# Altium PCB MotherBoard.PcbDoc (part 5 of 10)
Units mm, origin at the board's own origin, x right, y up, seen from the top; angles counter-clockwise.
Board outline 200 x 200 mm, 8 copper layers (Top Layer, Ground, Signal Layer 1, Power, Power 2, Signal Layer 2, Ground 2, Bottom Layer), stack 1.494 mm thick; 819 components, 704 nets, 3400 pads, 2339 vias.
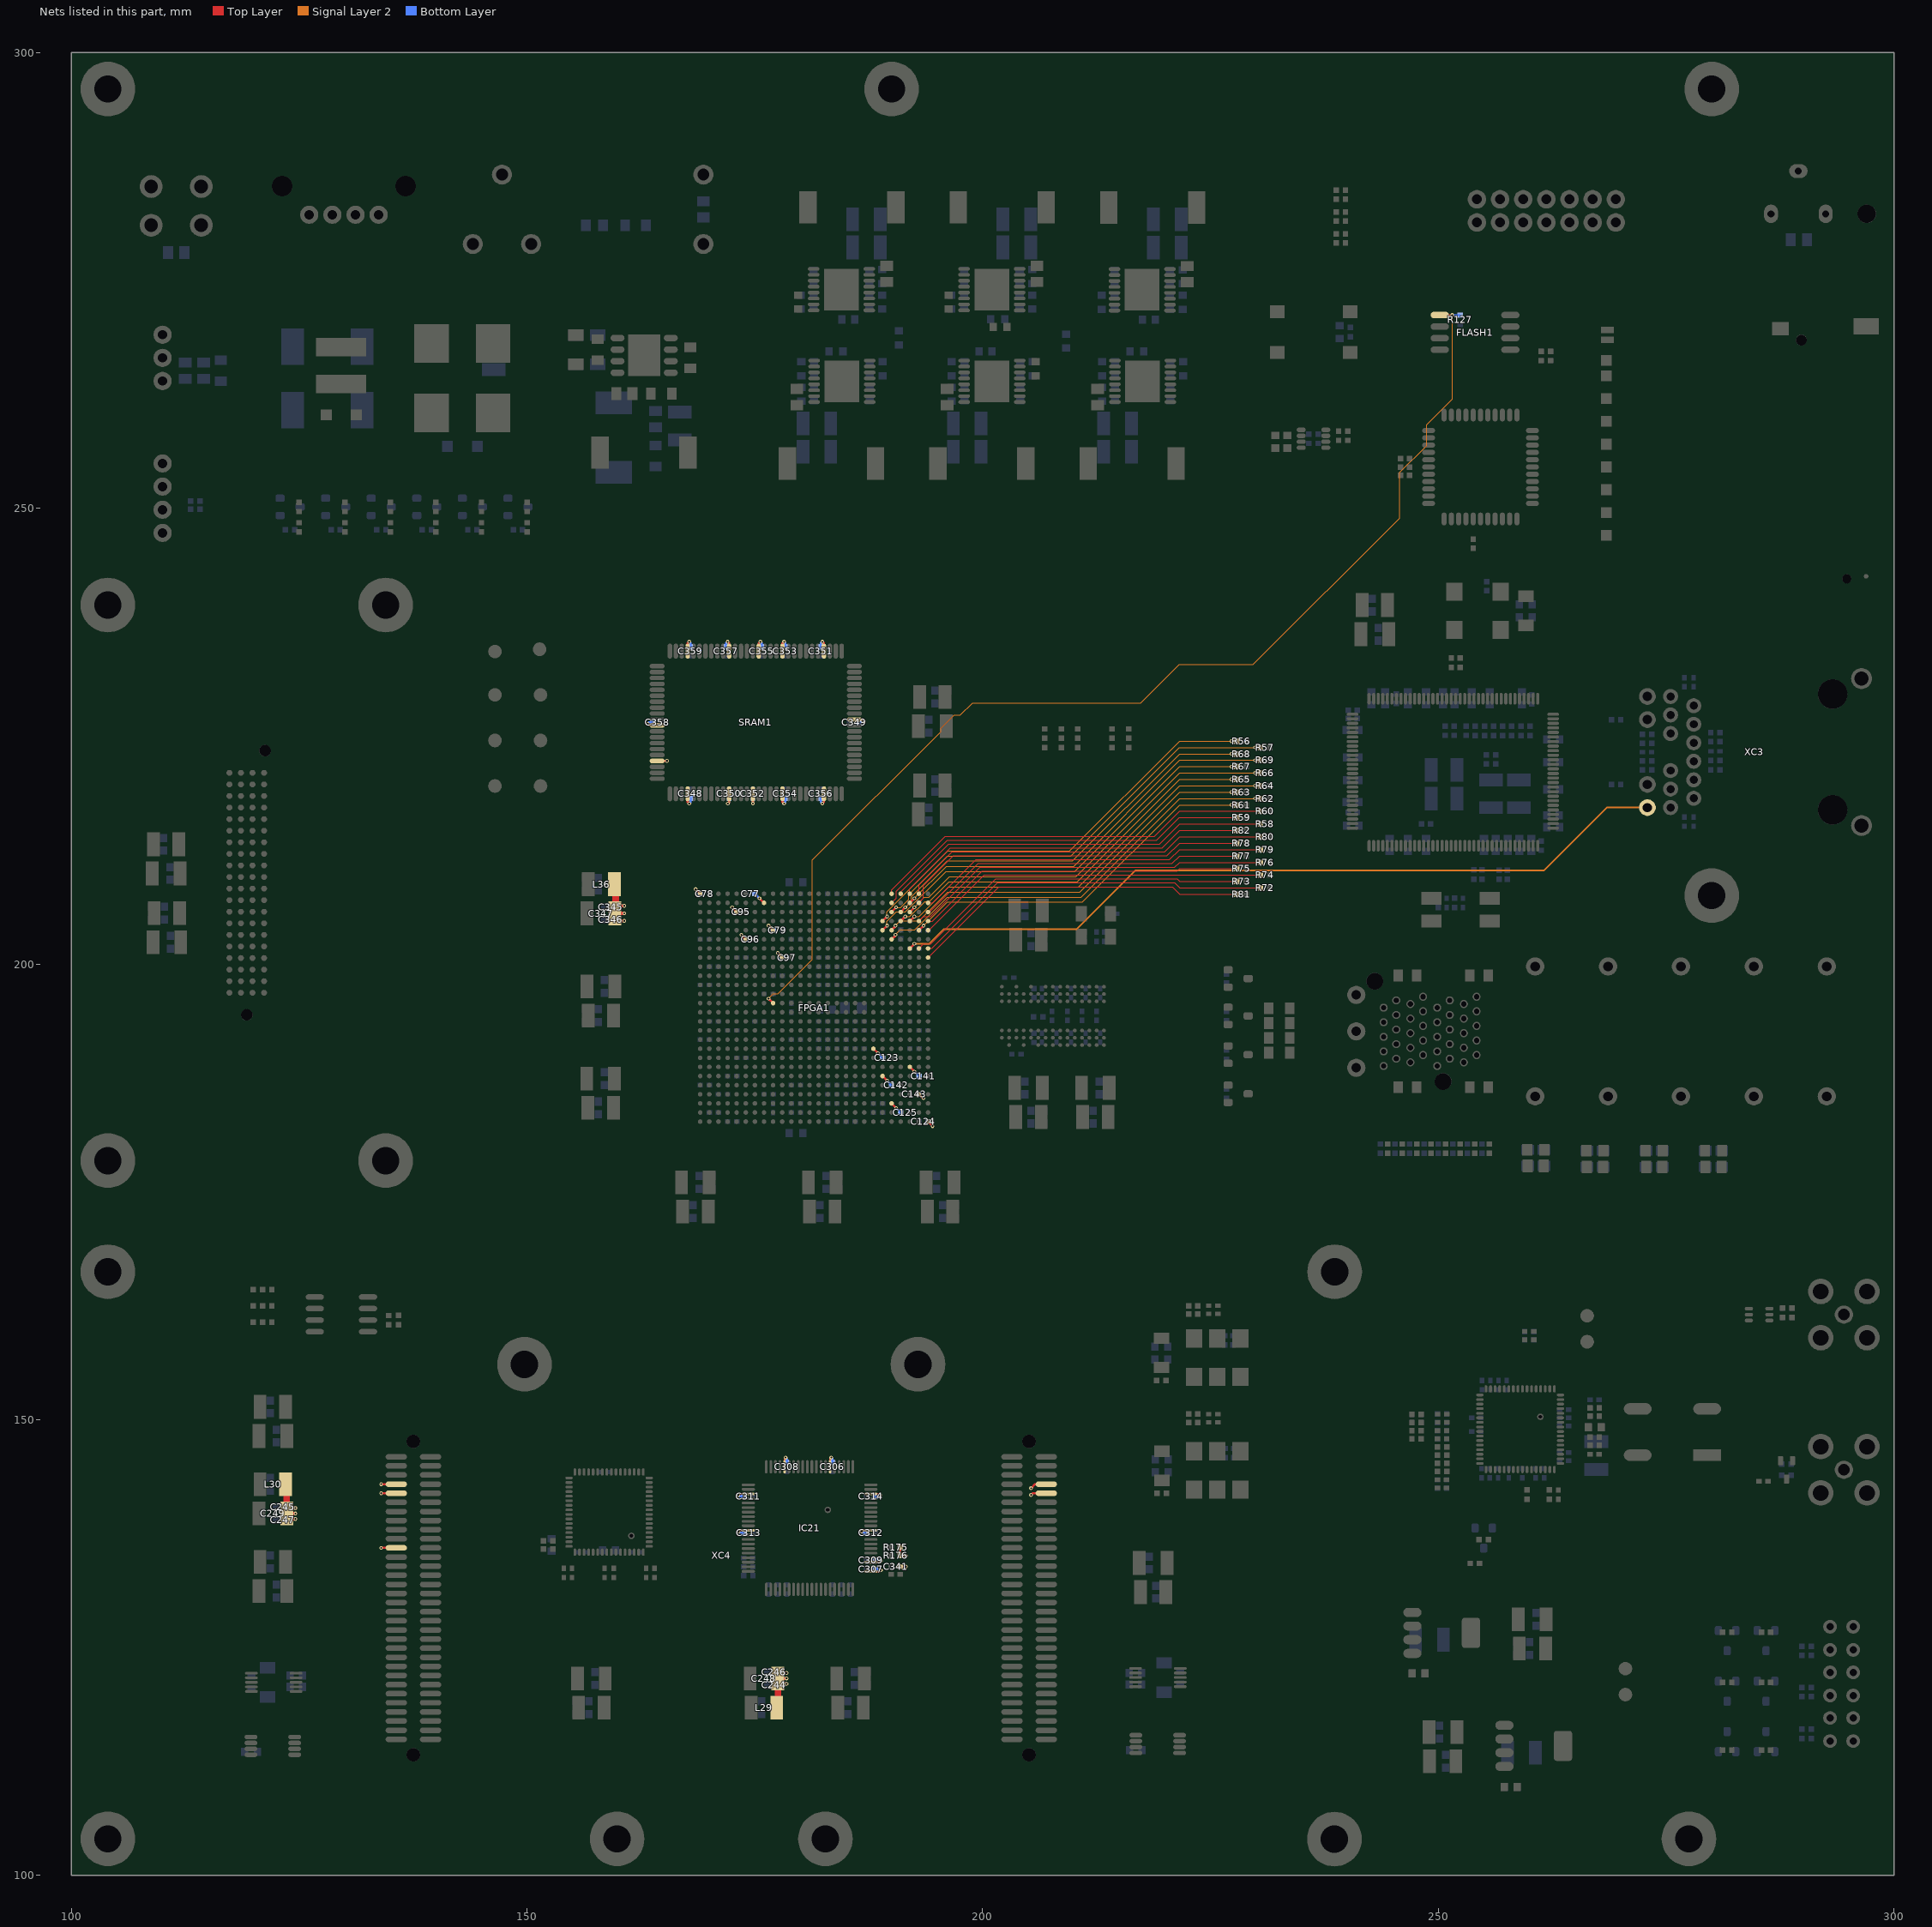
[diagram p11: the nets of this part, all layers, seen from the top]

## Via types
v1: diameter 0.4, hole 0.2, Top Layer to Bottom Layer, tented both sides, 1921 vias
v2: diameter 0.6, hole 0.3, Top Layer to Bottom Layer, tented both sides, 229 vias
v3: diameter 0.7, hole 0.4, Top Layer to Bottom Layer, 128 vias
v4: diameter 0.5, hole 0.2, Top Layer to Bottom Layer, tented both sides, 60 vias
v5: diameter 0.7, hole 0.4, Top Layer to Bottom Layer, tented both sides, 1 vias

## Nets (pads, with @x,y where several pads share a name; then routed paths per layer and width w, separated by ;. In a path a pad name is that pad's centre, name@x,y a point inside that pad or via, vN(x,y) a via of type N, cw(c..) or ccw(c..) an arc to the next point about the centre after c; other vN are vias at no path point) (continued)
DVDD_RAM: C77.1 C78.1 C79.1 C95.1 C96.1 C97.1 C345.1 C346.1 C347.2 C348.2 C349.2 C350.2 C351.2 C352.2 C353.2 C354.2 C355.2 C356.2 C357.2 C358.2 C359.2 FPGA1.AA21 FPGA1.AB18 FPGA1.AD22 FPGA1.AE19 FPGA1.AF26 FPGA1.W17 L36.1 SRAM1.4 SRAM1.11 SRAM1.15 SRAM1.20 SRAM1.27 SRAM1.41 SRAM1.54 SRAM1.61 SRAM1.65 SRAM1.70 SRAM1.77 SRAM1.91 SRAM1.97 | length 38.8
  Top Layer w0.25: v1(163.25,226.35) 163.425,226.175 SRAM1.91@164.325,226.175 ; SRAM1.97@164.275,222.275 v1(165.35,222.275) ; SRAM1.4@167.625,218.725 167.625,217.775 v1(167.8,217.6) ; SRAM1.77@167.625,234.275 167.625,235.175 v1(167.8,235.35) ; v1(168.5,208.2) FPGA1.AF26@169,207.7 ; v1(172,235.35) 172.175,235.175 SRAM1.70@172.175,234.275 ; v1(172.025,217.6) 172.175,217.75 SRAM1.11@172.175,218.675 ; v1(172.5,206.2) FPGA1.AD22@173,205.7 ; v1(173.5,203.2) FPGA1.AA21@174,202.7 ; v1(174.775,217.6) SRAM1.15@174.775,218.675 ; SRAM1.65@175.425,234.275 175.425,235.175 v1(175.6,235.35) ; v1(175.5,207.2) FPGA1.AE19@176,206.7 ; v1(176.5,204.2) FPGA1.AB18@177,203.7 ; v1(177.5,201.2) FPGA1.W17@178,200.7 ; SRAM1.20@178.025,218.725 178.025,217.775 v1(178.2,217.6) ; SRAM1.61@178.025,234.275 178.025,235.175 v1(178.2,235.35) ; v1(182.4,217.6) 182.575,217.775 SRAM1.27@182.575,218.725 ; v1(182.4,235.35) 182.575,235.175 SRAM1.54@182.575,234.275 ; SRAM1.41@185.875,226.825 186.775,226.825 v1(186.95,226.65)
  Top Layer w0.35: C347.2@159.725,204.95 159.95,204.725 v1(160.676,204.725) ; C347.2@159.725,205.55 v1(160.675,205.55) ; C347.2@159.725,206.15 159.95,206.375 v1(160.676,206.375)
  Top Layer w0.72: L36.1@159.598,208.75 159.725,208.623 C347.2@159.725,205.55
  Bottom Layer w0.25: v1(163.25,226.35) 163.4,226.5 C358.2@163.8,226.5 ; v1(167.8,217.6) 167.95,217.75 C348.2@167.95,218.2 ; v1(167.8,235.35) 167.95,235.2 C359.2@167.95,234.8 ; v1(168.5,208.2) C78.1@169,207.7 ; C357.2@171.85,234.8 171.85,235.2 v1(172,235.35) ; v1(172.025,217.6) 172.175,217.75 C350.2@172.175,218.2 ; v1(172.5,206.2) C95.1@173,205.7 ; v1(173.5,203.2) C96.1@174,202.7 ; v1(174.775,217.6) C352.2@174.775,218.2 ; C77.1@175,207.7 v1(175.5,207.2) ; v1(175.6,235.35) 175.75,235.2 C355.2@175.75,234.8 ; v1(176.5,204.2) C79.1@177,203.7 ; v1(177.5,201.2) C97.1@178,200.7 ; v1(178.2,217.6) 178.35,217.75 C354.2@178.35,218.2 ; v1(178.2,235.35) 178.35,235.2 C353.2@178.35,234.8 ; C356.2@182.25,218.2 182.25,217.75 v1(182.4,217.6) ; C351.2@182.25,234.8 182.25,235.2 v1(182.4,235.35) ; C349.2@186.4,226.5 186.8,226.5 v1(186.95,226.65)
  Bottom Layer w0.35: C346.1@160.001,204.95 160.226,204.725 v1(160.676,204.725) ; C345.1@160.001,206.15 160.226,206.375 v1(160.676,206.375)
DVDD_RX: C245.1 C247.1 C249.1 L30.1 XC4.71 XC4.73 XC4.85 | length 12.4
  Top Layer w0.25: v1(133.982,135.928) XC4.85@135.648,135.928 ; v1(133.982,141.922) XC4.73@135.648,141.922 ; v1(133.982,142.913) XC4.71@135.648,142.913
  Top Layer w0.35: C249.1@123.624,139.1 v1(124.574,139.1) ; C249.1@123.624,139.7 v1(124.574,139.7) ; C249.1@123.624,140.3 v1(124.574,140.3)
  Top Layer w0.72: L30.1@123.497,142.9 123.624,142.773 C249.1@123.624,139.7
  Bottom Layer w0.35: C247.1@123.9,139.1 v1(124.574,139.1) ; C245.1@123.9,140.3 v1(124.574,140.3)
DVDD_TX: C123.2 C124.2 C125.2 C141.2 C142.2 C143.2 C244.1 C246.1 C248.1 C306.2 C307.2 C308.2 C309.2 C311.2 C312.1 C313.2 C314.1 C341.2 FPGA1.A1 FPGA1.C5 FPGA1.D2 FPGA1.F6 FPGA1.G3 FPGA1.J7 IC21.1 IC21.3 IC21.10 IC21.18 IC21.26 IC21.36 IC21.43 IC21.51 L29.1 R175.2 R176.2 XC4.8 XC4.10 | length 35.2
  Top Layer w0.18: v1(173.185,141.725) 173.31,141.85 IC21.43@174.235,141.85 ; v1(173.225,137.725) 173.35,137.85 IC21.51@174.275,137.85 ; IC21.36@178.25,144.785 178.25,145.71 v1(178.375,145.835) ; IC21.26@183.25,144.785 183.25,145.71 v1(183.375,145.835) ; v1(186.715,137.725) 186.84,137.85 IC21.10@187.765,137.85 ; IC21.18@187.685,141.85 188.61,141.85 v1(188.735,141.725) ; IC21.1@187.765,133.35 188.69,133.35 v1(188.815,133.475) ; IC21.3@187.765,134.35 188.69,134.35 v1(188.815,134.475)
  Top Layer w0.25: FPGA1.J7@188,190.7 v1(188.5,190.2) ; FPGA1.F6@189,187.7 v1(189.5,187.2) ; FPGA1.C5@190,184.7 v1(190.5,184.2) ; C341.2@190.95,133.875 v1(191.55,133.875) ; R175.2@190.958,135.975 R176.2@190.958,135.075 v1(191.558,135.075) ; FPGA1.G3@192,188.7 v1(192.5,188.2) ; FPGA1.D2@193,185.7 193.425,185.275 v1(193.5,185.275) ; FPGA1.A1@194,182.7 v1(194.5,182.2) ; v1(205.3,141.725) 205.497,141.922 XC4.10@206.972,141.922 ; v1(205.3,142.475) 205.738,142.913 XC4.8@206.972,142.913
  Top Layer w0.35: C248.1@177.524,121 v1(178.474,121) ; C248.1@177.524,121.6 v1(178.474,121.6) ; C248.1@177.524,122.2 v1(178.474,122.2)
  Top Layer w0.72: L29.1@177.397,118.4 177.524,118.527 C248.1@177.524,121.6
  Bottom Layer w0.25: v1(173.185,141.725) 173.31,141.6 C311.2@173.775,141.6 ; v1(173.225,137.725) 173.35,137.6 C313.2@173.815,137.6 ; v1(178.375,145.835) 178.5,145.71 C308.2@178.5,145.325 ; v1(183.375,145.835) 183.5,145.71 C306.2@183.5,145.325 ; v1(186.715,137.725) 186.84,137.6 C312.1@187.225,137.6 ; C307.2@188.225,133.6 188.69,133.6 v1(188.815,133.475) ; C309.2@188.225,134.6 188.69,134.6 v1(188.815,134.475) ; C314.1@188.225,141.6 188.61,141.6 v1(188.735,141.725) ; v1(188.5,190.2) C123.2@189,189.7 ; v1(189.5,187.2) C142.2@190,186.7 ; v1(190.5,184.2) C125.2@191,183.7 ; v1(192.5,188.2) C141.2@193,187.7 ; C143.2@193,185.7 193.425,185.275 v1(193.5,185.275) ; C124.2@194,182.7 v1(194.5,182.2)
  Bottom Layer w0.35: C244.1@177.8,121 v1(178.474,121) ; C246.1@177.8,122.2 v1(178.474,122.2)
ETH_LED: FPGA1.Y3 XC3.16 | length 87.3
  Top Layer w0.25: FPGA1.Y3@192,201.7 v1(192.5,202.2)
  Signal Layer 2 w0.18: v1(192.5,202.2) 194.1,202.2 195.7,203.8 210.302,203.8 216.777,210.275 261.6,210.275 268.479,217.154 XC3.16@272.939,217.154
FLASH_CE: FLASH1.1 FPGA1.P18 R127.2 | length 125.3
  Top Layer w0.18: FLASH1.1@250.15,271.2 v1(251.525,271.2)
  Top Layer w0.25: v1(176.5,196.2) FPGA1.P18@177,195.7
  Signal Layer 2 w0.1: v1(176.5,196.2) 177.025,196.725 177.525,196.725 181.3,200.5 181.3,211.4 195.4,225.5 195.4,225.845 196.855,227.3 197.55,227.3 198.875,228.625 217.325,228.625 221.55,232.85 229.675,232.85 245.75,248.925 245.75,253.925 248.7,256.875 248.7,259.175 251.525,262 v1(251.525,271.2)
  Bottom Layer w0.18: v1(251.525,271.2) 252.358,271.2 R127.2@252.375,271.183
GMII_COL: FPGA1.AC6 R56.1 | length 47.4
  Top Layer w0.25: FPGA1.AC6@189,204.7 v1(189.5,205.2) ; v1(227.292,224.45) R56.1@227.892,224.45
  Signal Layer 2 w0.1: v1(189.5,205.2) 189.5,205.7 196.175,212.375 209.525,212.375 221.6,224.45 v1(227.292,224.45)
GMII_CRS: FPGA1.AD5 R57.1 | length 48.3
  Top Layer w0.25: FPGA1.AD5@190,205.7 v1(190.5,206.2) ; v1(229.892,223.75) R57.1@230.492,223.75
  Signal Layer 2 w0.1: v1(190.5,206.2) 190.995,206.2 191.875,207.08 191.875,207.575 196.125,211.825 209.65,211.825 221.575,223.75 v1(229.892,223.75)
GMII_GTX_CLK: FPGA1.W1 R81.2 | length 37.4
  Top Layer w0.1: FPGA1.W1@194,200.7 201.75,208.45 220.8,208.45 221.6,207.65 R81.2@227.892,207.65
GMII_RX_CLK: FPGA1.AE5 R59.2 | length 42.2
  Top Layer w0.1: FPGA1.AE5@190,206.7 190.5,207.2 190.5,207.975 196.1,213.575 219.1,213.575 221.575,216.05 R59.2@227.892,216.05
GMII_RX_DV: FPGA1.AE3 R69.2 | length 45
  Top Layer w0.25: FPGA1.AE3@192,206.7 v1(192.5,207.2) ; v1(229.892,222.35) R69.2@230.492,222.35
  Signal Layer 2 w0.1: v1(192.5,207.2) 196.025,210.725 209.975,210.725 221.6,222.35 v1(229.892,222.35)
GMII_RX_ER: FPGA1.AD4 R68.2 | length 44.4
  Top Layer w0.25: FPGA1.AD4@191,205.7 v1(191.5,206.2) ; v1(227.292,223.05) R68.2@227.892,223.05
  Signal Layer 2 w0.1: v1(191.5,206.2) 192.15,206.85 192.15,207.345 196.105,211.3 209.85,211.3 221.6,223.05 v1(227.292,223.05)
GMII_RXD0: FPGA1.AF5 R60.2 | length 44.5
  Top Layer w0.1: FPGA1.AF5@190,207.7 190,208.1 195.9,214 218.85,214 221.6,216.75 R60.2@230.492,216.75
GMII_RXD1: FPGA1.AB2 R61.2 | length 40.6
  Top Layer w0.25: FPGA1.AB2@193,203.7 v1(193.5,204.2) ; v1(227.292,217.45) R61.2@227.892,217.45
  Signal Layer 2 w0.1: v1(193.5,204.2) 193.65,204.35 193.658,204.35 196.108,206.8 210.95,206.8 221.6,217.45 v1(227.292,217.45)
GMII_RXD2: FPGA1.AA5 R62.2 | length 46.9
  Top Layer w0.25: FPGA1.AA5@190,202.7 190.425,203.125 v1(190.425,203.2) ; v1(229.892,218.15) R62.2@230.492,218.15
  Signal Layer 2 w0.1: v1(190.425,203.2) 190.95,203.725 192.52,203.725 196.12,207.325 210.775,207.325 221.6,218.15 v1(229.892,218.15)
GMII_RXD3: FPGA1.AB5 R63.2 | length 44.2
  Top Layer w0.25: FPGA1.AB5@190,203.7 190.425,204.125 v1(190.425,204.2) ; v1(227.292,218.85) R63.2@227.892,218.85
  Signal Layer 2 w0.1: v1(190.425,204.2) 190.95,204.725 193,204.725 196.175,207.9 210.65,207.9 221.6,218.85 v1(227.292,218.85)
GMII_RXD4: FPGA1.AC3 R64.2 | length 44.6
  Top Layer w0.25: FPGA1.AC3@192,204.7 v1(192.5,205.2) ; v1(229.892,219.55) R64.2@230.492,219.55
  Signal Layer 2 w0.1: v1(192.5,205.2) 193,205.2 196.25,208.45 210.5,208.45 221.6,219.55 v1(229.892,219.55)
GMII_RXD5: FPGA1.AC4 R65.2 | length 43.3
  Top Layer w0.25: FPGA1.AC4@191,204.7 v1(191.5,205.2) ; v1(227.292,220.25) R65.2@227.892,220.25
  Signal Layer 2 w0.1: v1(191.5,205.2) 192,205.2 193.65,206.85 194.125,206.85 196.3,209.025 210.375,209.025 221.6,220.25 v1(227.292,220.25)
GMII_RXD6: FPGA1.AD3 R66.2 | length 44.8
  Top Layer w0.25: FPGA1.AD3@192,205.7 v1(192.5,206.2) ; v1(229.892,220.95) R66.2@230.492,220.95
  Signal Layer 2 w0.1: v1(192.5,206.2) 193.6,207.3 194.1,207.3 196.375,209.575 210.225,209.575 221.6,220.95 v1(229.892,220.95)
GMII_RXD7: FPGA1.AB6 R67.2 | length 46.6
  Top Layer w0.25: FPGA1.AB6@189,203.7 v1(189.5,204.2) ; v1(227.292,221.65) R67.2@227.892,221.65
  Signal Layer 2 w0.1: v1(189.5,204.2) 189.5,204.695 190.53,205.725 191.53,205.725 195.955,210.15 210.1,210.15 221.6,221.65 v1(227.292,221.65)
GMII_TX_CLK: FPGA1.AF4 R58.1 | length 42.8
  Top Layer w0.1: FPGA1.AF4@191,207.7 191,207.875 196.275,213.15 219.4,213.15 221.6,215.35 R58.1@230.492,215.35
GMII_TX_EN: FPGA1.AF2 R80.2 | length 40.7
  Top Layer w0.1: FPGA1.AF2@193,207.7 193,208.675 196.625,212.3 219.95,212.3 221.6,213.95 R80.2@230.492,213.95
GMII_TX_ER: FPGA1.AF3 R82.2 | length 39.1
  Top Layer w0.1: FPGA1.AF3@192,207.7 192,208.275 196.45,212.725 219.675,212.725 221.6,214.65 R82.2@227.892,214.65
GMII_TXD0: FPGA1.Y1 R72.2 | length 39.7
  Top Layer w0.1: FPGA1.Y1@194,201.7 194.425,201.7 201.625,208.9 221.05,208.9 221.6,208.35 R72.2@230.492,208.35
GMII_TXD1: FPGA1.Y2 R73.2 | length 38.2
  Top Layer w0.1: FPGA1.Y2@193,201.7 193.5,202.2 194.3,202.2 201.425,209.325 221.325,209.325 221.6,209.05 R73.2@227.892,209.05
GMII_TXD2: FPGA1.AB1 R74.2 | length 39
  Top Layer w0.1: FPGA1.AB1@194,203.7 194.1,203.7 200.15,209.75 R74.2@230.492,209.75
GMII_TXD3: FPGA1.AC1 R75.2 | length 36.3
  Top Layer w0.1: FPGA1.AC1@194,204.7 194.45,204.7 199.925,210.175 221.325,210.175 221.6,210.45 R75.2@227.892,210.45
GMII_TXD4: FPGA1.AC2 R76.2 | length 40.2
  Top Layer w0.1: FPGA1.AC2@193,204.7 193.5,205.2 194.3,205.2 199.7,210.6 221.05,210.6 221.6,211.15 R76.2@230.492,211.15
GMII_TXD5: FPGA1.AD1 R77.2 | length 36.4
  Top Layer w0.1: FPGA1.AD1@194,205.7 194.175,205.7 199.5,211.025 220.775,211.025 221.6,211.85 R77.2@227.892,211.85
GMII_TXD6: FPGA1.AE2 R78.2 | length 38.4
  Top Layer w0.1: FPGA1.AE2@193,206.7 193.5,207.2 193.5,208.6 196.775,211.875 220.225,211.875 221.6,213.25 R78.2@227.892,213.25
GMII_TXD7: FPGA1.AE1 R79.2 | length 38.9
  Top Layer w0.1: FPGA1.AE1@194,206.7 194.525,206.7 199.275,211.45 220.5,211.45 221.6,212.55 R79.2@230.492,212.55